# Altium PCB MCU014B_D1.PcbDoc (part 2 of 5)
Units mil, origin at the board's own origin, x right, y up, seen from the top; angles counter-clockwise.
Board outline 2300.04 x 4058 mil, 4 copper layers (TOP, GND, PWR, BOTTOM), stack 48.84 mil thick; 371 components, 238 nets, 1148 pads, 688 vias.
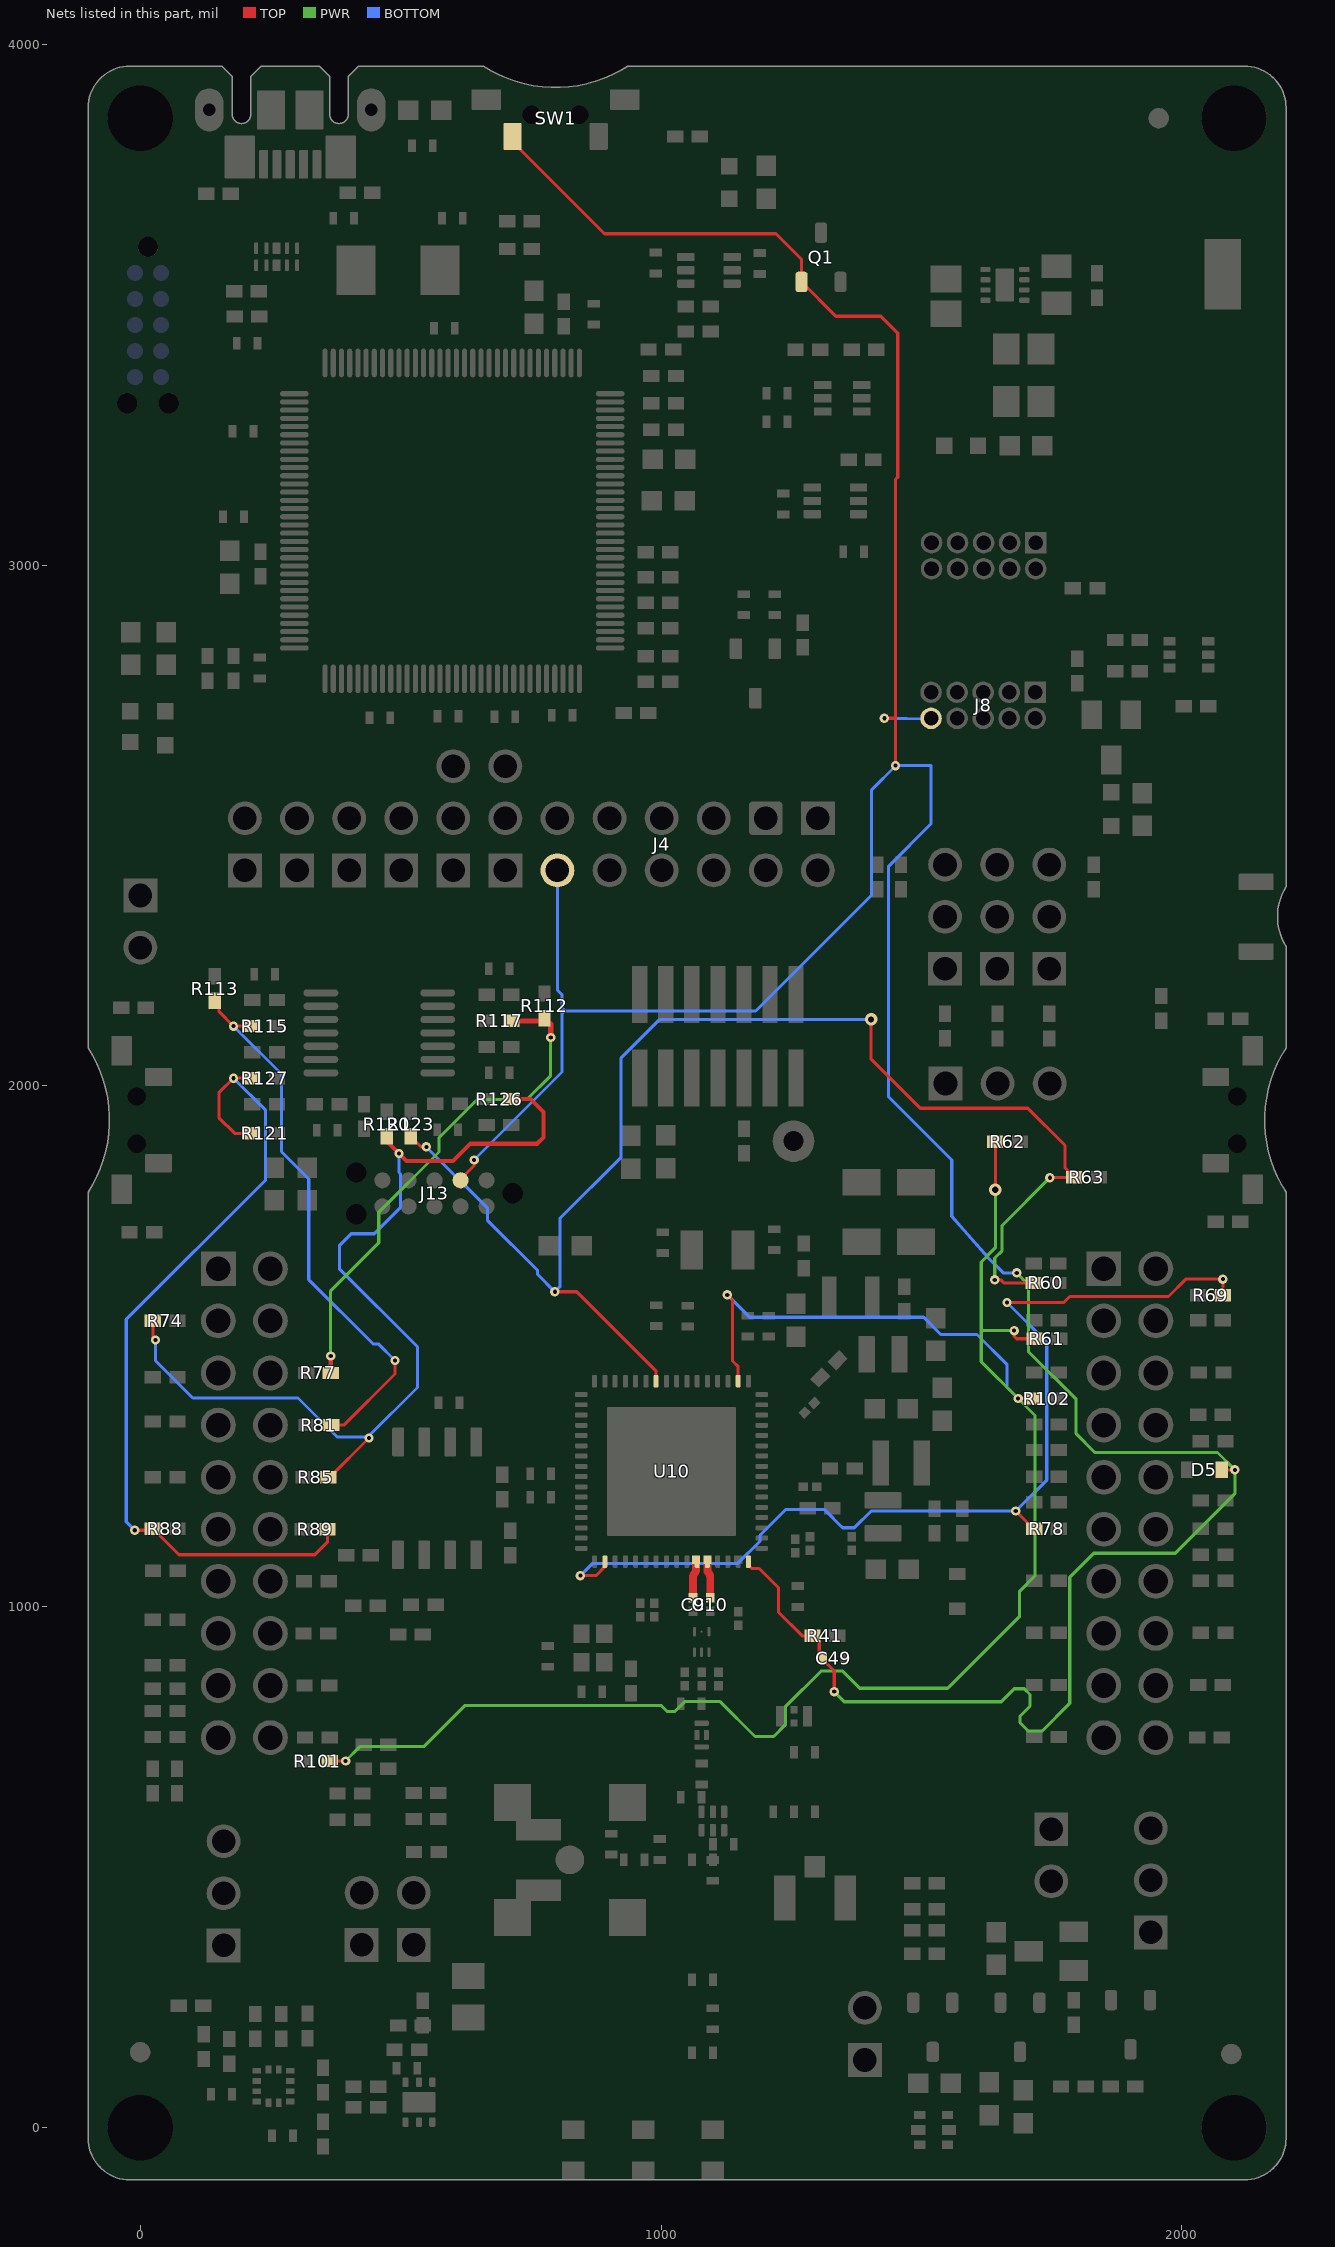
[diagram p4: the nets of this part, all layers, seen from the top]

## Footprints (in the part's own frame and the unit in brackets; to place one, negate y for a bottom-side part, rotate by r counter-clockwise, add the part's x,y. Pads: shape width x height; smd on the part's side, far side on the other; paste and mask are expansions set on the pad) (continued)
PDT0128A [mm] "Thin QFP, 128-Leads, Body 14x14mm, Pitch 0.4mm"
  oval 1.4x0.25 smd: 1(-7.7,6.2) 2(-7.7,5.8) 3(-7.7,5.4) 4(-7.7,5) 5(-7.7,4.6) 6(-7.7,4.2) 7(-7.7,3.8) 8(-7.7,3.4) 9(-7.7,3) 10(-7.7,2.6) 11(-7.7,2.2) 12(-7.7,1.8) 13(-7.7,1.4) 14(-7.7,1) 15(-7.7,0.6) 16(-7.7,0.2) 17(-7.7,-0.2) 18(-7.7,-0.6) 19(-7.7,-1) 20(-7.7,-1.4) 21(-7.7,-1.8) 22(-7.7,-2.2) 23(-7.7,-2.6) 24(-7.7,-3) 25(-7.7,-3.4) 26(-7.7,-3.8) 27(-7.7,-4.2) 28(-7.7,-4.6) 29(-7.7,-5) 30(-7.7,-5.4) 31(-7.7,-5.8) 32(-7.7,-6.2) 65(7.7,-6.2) 66(7.7,-5.8) 67(7.7,-5.4) 68(7.7,-5) 69(7.7,-4.6) 70(7.7,-4.2) 71(7.7,-3.8) 72(7.7,-3.4) 73(7.7,-3) 74(7.7,-2.6) 75(7.7,-2.2) 76(7.7,-1.8) 77(7.7,-1.4) 78(7.7,-1) 79(7.7,-0.6) 80(7.7,-0.2) 81(7.7,0.2) 82(7.7,0.6) 83(7.7,1) 84(7.7,1.4) 85(7.7,1.8) 86(7.7,2.2) 87(7.7,2.6) 88(7.7,3) 89(7.7,3.4) 90(7.7,3.8) 91(7.7,4.2) 92(7.7,4.6) 93(7.7,5) 94(7.7,5.4) 95(7.7,5.8) 96(7.7,6.2)
  oval 0.25x1.4 smd: 33(-6.2,-7.7) 34(-5.8,-7.7) 35(-5.4,-7.7) 36(-5,-7.7) 37(-4.6,-7.7) 38(-4.2,-7.7) 39(-3.8,-7.7) 40(-3.4,-7.7) 41(-3,-7.7) 42(-2.6,-7.7) 43(-2.2,-7.7) 44(-1.8,-7.7) 45(-1.4,-7.7) 46(-1,-7.7) 47(-0.6,-7.7) 48(-0.2,-7.7) 49(0.2,-7.7) 50(0.6,-7.7) 51(1,-7.7) 52(1.4,-7.7) 53(1.8,-7.7) 54(2.2,-7.7) 55(2.6,-7.7) 56(3,-7.7) 57(3.4,-7.7) 58(3.8,-7.7) 59(4.2,-7.7) 60(4.6,-7.7) 61(5,-7.7) 62(5.4,-7.7) 63(5.8,-7.7) 64(6.2,-7.7) 97(6.2,7.7) 98(5.8,7.7) 99(5.4,7.7) 100(5,7.7) 101(4.6,7.7) 102(4.2,7.7) 103(3.8,7.7) 104(3.4,7.7) 105(3,7.7) 106(2.6,7.7) 107(2.2,7.7) 108(1.8,7.7) 109(1.4,7.7) 110(1,7.7) 111(0.6,7.7) 112(0.2,7.7) 113(-0.2,7.7) 114(-0.6,7.7) 115(-1,7.7) 116(-1.4,7.7) 117(-1.8,7.7) 118(-2.2,7.7) 119(-2.6,7.7) 120(-3,7.7) 121(-3.4,7.7) 122(-3.8,7.7) 123(-4.2,7.7) 124(-4.6,7.7) 125(-5,7.7) 126(-5.4,7.7) 127(-5.8,7.7) 128(-6.2,7.7)
  silkscreen extent -7.7,-6.3 6.3,6.99, body extent -8,-8 8,8, height 1.07
PW0014A_N [mm] "TSOP, 14-Leads, Body 5x4.4mm, Pitch 0.65mm, IPC Medium Density"
  oval 1.7x0.35 smd: 1(-2.85,1.95) 2(-2.85,1.3) 3(-2.85,0.65) 4(-2.85,0) 5(-2.85,-0.65) 6(-2.85,-1.3) 7(-2.85,-1.95) 8(2.85,-1.95) 9(2.85,-1.3) 10(2.85,-0.65) 11(2.85,0) 12(2.85,0.65) 13(2.85,1.3) 14(2.85,1.95)
  silkscreen extent -1.85,-2.55 1.85,2.55, body extent -3.21,-2.5 3.21,2.5, height 1
RGK0064B [mm] "VQFN-64"
  rrect42% 0.6x0.24 smd: 1(-4.4,3.75) 2(-4.4,3.25) 3(-4.4,2.75) 4(-4.4,2.25) 5(-4.4,1.75) 6(-4.4,1.25) 7(-4.4,0.75) 8(-4.4,0.25) 9(-4.4,-0.25) 10(-4.4,-0.75) 11(-4.4,-1.25) 12(-4.4,-1.75) 13(-4.4,-2.25) 14(-4.4,-2.75) 15(-4.4,-3.25) 16(-4.4,-3.75) 33(4.4,-3.75) 34(4.4,-3.25) 35(4.4,-2.75) 36(4.4,-2.25) 37(4.4,-1.75) 38(4.4,-1.25) 39(4.4,-0.75) 40(4.4,-0.25) 41(4.4,0.25) 42(4.4,0.75) 43(4.4,1.25) 44(4.4,1.75) 45(4.4,2.25) 46(4.4,2.75) 47(4.4,3.25) 48(4.4,3.75)
  rrect42% 0.24x0.6 smd: 17(-3.75,-4.4) 18(-3.25,-4.4) 19(-2.75,-4.4) 20(-2.25,-4.4) 21(-1.75,-4.4) 22(-1.25,-4.4) 23(-0.75,-4.4) 24(-0.25,-4.4) 25(0.25,-4.4) 26(0.75,-4.4) 27(1.25,-4.4) 28(1.75,-4.4) 29(2.25,-4.4) 30(2.75,-4.4) 31(3.25,-4.4) 32(3.75,-4.4) 49(3.75,4.4) 50(3.25,4.4) 51(2.75,4.4) 52(2.25,4.4) 53(1.75,4.4) 54(1.25,4.4) 55(0.75,4.4) 56(0.25,4.4) 57(-0.25,4.4) 58(-0.75,4.4) 59(-1.25,4.4) 60(-1.75,4.4) 61(-2.25,4.4) 62(-2.75,4.4) 63(-3.25,4.4) 64(-3.75,4.4)
  rrect10% 1x1 on Top Paste: 65(-2.4,-2.4) 65(-2.4,-1.2) 65(-2.4,0) 65(-2.4,1.2) 65(-2.4,2.4) 65(-1.2,-2.4) 65(-1.2,-1.2) 65(-1.2,0) 65(-1.2,1.2) 65(-1.2,2.4) 65(0,-2.4) 65(0,-1.2) 65(0,0) 65(0,1.2) 65(0,2.4) 65(1.2,-2.4) 65(1.2,-1.2) 65(1.2,0) 65(1.2,1.2) 65(1.2,2.4) 65(2.4,-2.4) 65(2.4,-1.2) 65(2.4,0) 65(2.4,1.2) 65(2.4,2.4)
  rrect2% 6.3x6.3 smd paste-4: 65(0,0)
  silkscreen extent -4.7,-4.7 4.7,4.7, body extent -4.5,-4.5 4.5,4.5, height 1
Richwave_RTC6608OSP [mm] "SMD, 6-Leads, Body 1x1mm"
  rrect67% 0.45x0.15 smd: 1(-0.5,0.35) 3(-0.5,-0.35) 4(0.5,-0.35) 5(0.5,0) 6(0.5,0.35)
  rrect100% 0.1x0.1 smd: 2(-0.5,0)
  TOP region: -0.725,-0.076 -0.725,-0.076 -0.726,-0.076 -0.726,-0.075 -0.726,-0.075 -0.726,-0.075 -0.726,0.075 -0.726,0.075 -0.726,0.076 -0.725,0.076 -0.725,0.076 -0.725,0.076 -0.275,0.076 -0.101,0.225 -0.101,0.5 -0.101,0.5 -0.101,0.501 -0.1,0.501 -0.1,0.501 -0.1,0.501 0.1,0.501 0.1,0.501 0.101,0.501 0.101,0.5 0.101,0.5 0.101,0.5 0.101,0.226 0.15,0.226 0.15,0.226 0.151,0.226 0.151,0.225 0.151,0.225 0.151,0.225 0.151,-0.225 0.151,-0.225 0.151,-0.226 0.15,-0.226 0.15,-0.226 0.15,-0.226 0.101,-0.226 0.101,-0.5 0.101,-0.5 0.101,-0.501 0.1,-0.501 0.1,-0.501 0.1,-0.501 -0.1,-0.501 -0.1,-0.501 -0.101,-0.501 -0.101,-0.5 -0.101,-0.5 -0.101,-0.5 -0.101,-0.225 -0.275,-0.076
  silkscreen extent -1.05,0.45 -0.95,0.55, body extent -0.55,-0.55 0.55,0.55, height 0.41
Samtec_FTSH-105-01-x-D-K [mm] "Header, 1.27 mm, 5x2, TH"
  rect 1.05x1.05 hole 0.71: 1(-0.635,2.54)
  round 1.05 hole 0.71: 2(0.635,2.54) 3(-0.635,1.27) 4(0.635,1.27) 5(-0.635,0) 6(0.635,0) 7(-0.635,-1.27) 8(0.635,-1.27) 9(-0.635,-2.54) 10(0.635,-2.54)
  silkscreen extent -2.54,-3.17 2.54,3.2, body extent -2.54,-3.17 2.54,3.1, height 5.73
Samtec_FTSH-107-01-x-DV [mm] "Header, 1.27mm, 7x2, SMT"
  rect 2.79x0.74 smd: 1(-2.035,3.81) 2(2.035,3.81) 3(-2.035,2.54) 4(2.035,2.54) 5(-2.035,1.27) 6(2.035,1.27) 7(-2.035,0) 8(2.035,0) 9(-2.035,-1.27) 10(2.035,-1.27) 11(-2.035,-2.54) 12(2.035,-2.54) 13(-2.035,-3.81) 14(2.035,-3.81)
  silkscreen extent -2.32,4.68 -2.08,4.93, body extent -2.94,-4.48 2.9,4.41, height 5.97
SML-31_Red [mm] "Rohm"
  rect 0.8x0.8 smd: 1(-0.825,0) 2(0.825,0)
  silkscreen extent -1.93,-0.76 1.1,0.76, body extent -0.85,-0.45 0.85,0.45, height 0.91
SOD-523F [mm] "COMCHIP"
  rect 0.6x0.8 smd paste-0.05: 1(-0.85,0) 2(0.85,0)
  body extent -0.9,-0.5 0.9,0.5, height 0.85
SOP-8_150MIL [mm] "SOP, 8-Leads, Body 5.03x4mm, Pitch 1.27mm"
  rrect18% 1.4x0.57 smd: 1(-2.75,1.905) 2(-2.75,0.635) 3(-2.75,-0.635) 4(-2.75,-1.905) 5(2.75,-1.905) 6(2.75,-0.635) 7(2.75,0.635) 8(2.75,1.905)
  silkscreen extent -2,-2.5 2,2.5, body extent -2,-2.5 2,2.5, height 1.76
SOT-23 [mm] "SOT23, 3-Leads, Body 2.9x1.3mm, Pitch 0.95mm, Lead Span 2.5mm, IPC Medium Density"
  rrect50% 1x0.6 smd: 1(-1.2,0.95) 2(-1.2,-0.95) 3(1.2,0)
  silkscreen extent -1.62,-1.5 0.7,1.5, body extent -1.16,-1.45 1.21,1.45, height 1
SOT-363 [mm]
  rect 0.6x0.42 smd mask+0.051: 1(-0.95,0.65) 2(-0.95,0) 3(-0.95,-0.65) 4(0.95,-0.65) 5(0.95,0) 6(0.95,0.65)
  silkscreen extent -0.38,-1.02 0.38,1.02, body extent -1.1,-1.1 1.1,1.1, height 1.12
SSOT-3 [mm] "SuperSOT-3"
  rect 1x1.4 smd: 1(-0.95,-1.1) 2(0.95,-1.1) 3(0,1.1)
  silkscreen extent -1.53,-0.05 1.5,0.77, body extent -1.52,-0.76 1.52,0.76, height 1.12
SW_1188E [mm] "SMD, 4-Leads, Body 7.8x3.5mm"
  rrect10% 1x1.45 smd: 1(-1.1,3.375) 2(-1.1,-3.375)
  rrect11% 1.3x0.9 smd: 3(0.7,2.1) 4(0.7,-2.1)
  round 0 hole 0.9 unplated paste+0.127 mask+0.127: ""(-0.35,1.15) ""(-0.35,-1.15)
  silkscreen extent -1.97,-2.28 0.95,2.28, body extent -2.55,-3.9 1.05,3.9, height 3.5
SW_B3U-3000P [mm] "SMD, 2-Leads, Body 3x2.5mm"
  rrect12% 1.7x0.8 smd: 1(0,1.7) 2(0,-1.7)
  silkscreen extent 1.25,-1.5 1.25,1.5, body extent -1.95,-2 1.25,2, height 1.2
Tag_TC2050-NL#1 [mil] "Footprint for Tag-Connect TC2050 No-Legs cables"
  round 31 smd paste-15.75: 1(-25,100) 2(-25,50) 3(-25,0) 4(-25,-50) 5(-25,-100) 6(25,-100) 7(25,-50) 8(25,0) 9(25,50) 10(25,100)
  round 39 hole 39 unplated mask+5: MH1(0,150) MH2(-40,-150) MH3(40,-150)
  silkscreen extent -105,-200 75,200
Tag_TC2050-NL#2 [mil] "Footprint for Tag-Connect TC2050 No-Legs cables"
  round 31 smd paste-15.75: 1(-25,100) 2(-25,50) 3(-25,0) 4(-25,-50) 5(-25,-100) 6(25,-100) 7(25,-50) 8(25,0) 9(25,50) 10(25,100)
  round 31 hole 39 unplated paste+10 mask+5: MH1(0,150) MH2(-40,-150) MH3(40,-150)
  silkscreen extent -75,-200 75,200
TDK_DEA165538BT-2236B1-H [mm] "SMD, 3-Leads, Body 1.6x0.8mm"
  rrect40% 0.25x0.7 smd: 1(-0.575,0) 3(0.575,0)
  rrect41% 0.5x0.245 smd: 2(0,0.228) 2(0,-0.228)
  silkscreen extent -1,-0.65 1,0.65, body extent -0.87,-0.45 0.87,0.45, height 0.65
TDK_DEA202450BT-1294C1-H [mm] "SMD, 4-Leads, Body 2x1.25mm"
  rect 0.35x0.35 smd: 1(0,0.325) 3(0,-0.325)
  rect 0.45x1 smd: 2(0.65,0) 4(-0.65,0)
  silkscreen extent -1.17,-0.8 1.17,1, body extent -1.07,-0.67 1.07,0.67, height 0.8
TDK_DPX165950DT-8148A1 [mm] "SMD, 6-Leads, Body 1.6x0.8mm"
  rrect33% 0.6x0.3 smd mask+0: 1(-0.45,0.55) 2(-0.45,0) 3(-0.45,-0.55) 4(0.45,-0.55) 5(0.45,0) 6(0.45,0.55)
  silkscreen extent -0.4,-1 0.4,1.2, body extent -0.47,-0.88 0.48,0.87, height 0.7
TESTPOINT [mil]
  round 80 hole 37.99: 1(0,0)
Testpoint_Keystone_Miniature [mil] "Miniature SMT test point"
  rect 135x70 smd: 1(0,0)
  silkscreen extent -78,-46 78,45, body extent -52,-20 52,20, height 61
TI_Stacked_Overlay_Small [mil]
  silkscreen extent -418,-98 418,98
TI_Symbol_Overlay_Small [mil]
  silkscreen extent -90,-88 91,88
TXC_8Y [mm] "SMD, 4-Leads, Body 2x1.6mm"
  rect 0.8x0.9 smd: 1(-0.55,0.7) 2(-0.55,-0.7) 3(0.55,-0.7) 4(0.55,0.7)
  silkscreen extent -0.68,1.35 -0.42,1.6, body extent -0.85,-1.05 0.85,1.05, height 0.56
WEEE_Minimum [mil] "WEEElie bin"
  silkscreen extent -95,-172 99,104
WL-SMCW_YELLOW [mm] "WURTH"
  rect 0.8x0.8 smd: 1(-0.8,0) 2(0.8,0)
  silkscreen extent -1.9,-0.8 1.2,0.8, body extent -0.85,-0.45 0.85,0.45, height 0.8
Wurth_60900213421 [mil] "Shunt, 2.54mm, Black"
  round 1 on Mech3: 0(0,0)
  body extent -98,-48 98,48, height 236
WURTH_61300211121 [mm] "Header, 2.54mm, 2x1, TH"
  rect 1.65x1.65 hole 1.15: 1(-1.27,0)
  round 1.65 hole 1.15: 2(1.27,0)
  silkscreen extent -2.54,-1.27 2.54,1.6, body extent -2.54,-1.27 2.54,1.27, height 8.54
WURTH_61300311121 [mm] "Header, 2.54mm, 3x1, TH"
  rect 1.65x1.65 hole 1.15: 1(-2.54,0)
  round 1.65 hole 1.15: 2(0,0) 3(2.54,0)
  silkscreen extent -4.18,-1.27 3.81,1.27, body extent -3.81,-1.27 3.81,1.27, height 8.54
WURTH_61301021121 [mm] "Header, 2.54mm, 5x2, TH"
  rrect25% 1.65x1.65 hole 1.15: 1(-5.08,-1.27)
  round 1.65 hole 1.15: 2(-5.08,1.27) 3(-2.54,-1.27) 4(-2.54,1.27) 5(0,-1.27) 6(0,1.27) 7(2.54,-1.27) 8(2.54,1.27) 9(5.08,-1.27) 10(5.08,1.27)
  silkscreen extent -6.35,-2.9 6.35,2.54, body extent -6.35,-2.54 6.35,2.54, height 8.54
XTAL_ABM3 [mm] "Abracon recommended land pattern 12.28.10"
  rect 1.9x2.4 smd: 1(-2.05,0) 2(2.05,0)
  silkscreen extent -2.67,-1.78 2.67,1.78, body extent -2.6,-1.7 2.6,1.7, height 1.3
XTAL_ABS07 [mm] "ABRACON"
  rect 1.1x1.9 smd: 1(-1.25,0) 2(1.25,0)
  silkscreen extent -0.4,-1 0.4,1, body extent -1.65,-0.8 1.65,0.8, height 0.9

## Part data
C1: "CAP, CERM, 10 pF, 50 V, +/- 5%, C0G/NP0, 0402", Alternate Manufacturer=----, Alternate PartNumber=GRM1555C1H100JA01D, Cap_Case=0402, Manufacturer=MuRata, Supplier Part Number 1=81-GRM1555C1H100JA1D, TempCo=C0G/NP0, Tolerance_%=5%, Value1=Unknown, Value2=50V, ValueDisplayed=10pF, AEC Category=Q200, AEC Qualified=?, Cap_F=10pF, ComponentLink1Description="Datasheet link", ComponentLink1URL=http://search.murata.co.jp/Ceramy/PnsearchViewAction.do?HnOFG=ON&HnNFG=ON&SEL_CNT=50&sLang=en&sKey=GRM1555C1H100JA01D&x=9&y=9&search=startwith, CompType=Capacitor, LatestRevisionDate=2017-03-09, MountType=SMT, PackageReference=0402, PartNumber=GRM1555C1H100JA01D, Polarized=N, Published=2008-06-19, Publisher="Texas Instruments", RoHS=Y, SizeArea_mm2=0.5, SizeAreaWB_mm2=3, SizeX_mm=1, SizeY_mm=0.5, SizeZ_mm=0.6, Supplier 1=Mouser, TaMax_C=125°C, TaMin_C=-55°C, Technology=Ceramic, U/M=EA, VDC_V=50V
C2: library part CMP-0085845-1, "CAP, CERM, 8.2 pF, 50 V,+/- 3%, C0G/NP0, 0402", Alternate Manufacturer=MuRata, Alternate PartNumber=GRM1555C1H8R2CA01D, Cap_Case=0402, Manufacturer=Walsin, TempCo=C0G/NP0, Tolerance_%=3%, Value2=50V, ValueDisplayed=8.2pF, AEC Category=Q200, AEC Grade=N/A, AEC Qualified=N, Cap_F=8.2pF, ComponentLink1Description="Datasheet link", ComponentLink1URL=http://www.passivecomponent.com/indexsea/0402N8R2C500CT-IN.pdf, CompType=Capacitor, MountType=SMT, PackageReference=0402, PartNumber=0402N8R2C500CT, Polarized=N, RoHS=Y, SizeArea_mm2=0.5, SizeAreaWB_mm2=3, SizeX_mm=1, SizeY_mm=0.5, SizeZ_mm=0.6, TaMax_C=125°C, TaMin_C=-55°C, Technology=Ceramic, U/M=EA, VDC_V=50V
C3 C4 C5: library part CMP-0080073-1, "CAP, CERM, 0.5 pF, 50 V,+/- 20%, C0G/NP0, 0402", Cap_Case=0402, Manufacturer=MuRata, Supplier Part Number 1=490-8105-1-ND, TempCo=C0G/NP0, Tolerance_%=20%, Value2=50V, ValueDisplayed=0.5pF, AEC Category=Q200, AEC Grade=N/A, AEC Qualified=N, Cap_F=0.5pF, ComponentLink1Description="Datasheet link", ComponentLink1URL=https://search.murata.co.jp/Ceramy/image/img/A01X/G101/ENG/GJM1555C1HR50BB01-01.pdf, CompType=Capacitor, Green_EU RoHS=Passed, Green_EU RoHS-2=Incomplete, Green_Lifecycle=Active, Green_REACh=Passed, MountType=SMT, PackageReference=0402, PartNumber=GJM1555C1HR50BB01J, Polarized=N, RoHS=Y, SizeArea_mm2=0.5, SizeAreaWB_mm2=3, SizeX_mm=1, SizeY_mm=0.5, SizeZ_mm=0.6, Supplier 1=Digi-Key, Supplier 2=Mouser, Supplier Part Number 2=81-GJM1555C1HR50BB1J, TaMax_C=125°C, TaMin_C=-55°C, Technology=Ceramic, U/M=EA, VDC_V=50V
C6: library part CMP-0080075-1, "CAP, CERM, 1.6 pF, 50 V,+/- 7%, C0G/NP0, 0201", Cap_Case=0201, Manufacturer=MuRata, Supplier Part Number 1=490-11312-1-ND, TempCo=C0G/NP0, Tolerance_%=7%, Value2=50V, ValueDisplayed=1.6pF, AEC Category=Q200, AEC Grade=N/A, AEC Qualified=N, Cap_F=1.6pF, ComponentLink1Description="Datasheet link", ComponentLink1URL=https://search.murata.co.jp/Ceramy/image/img/A01X/G101/ENG/GRM0335C1H1R6BA01-01A.pdf, CompType=Capacitor, MountType=SMT, PackageReference=0201, PartNumber=GRM0335C1H1R6BA01D, Polarized=N, RoHS=Y, SizeArea_mm2=0.18, SizeAreaWB_mm2=2.08, SizeX_mm=0.6, SizeY_mm=0.3, SizeZ_mm=0.33, Supplier 1=Digi-Key, Supplier 2=Mouser, Supplier Part Number 2=81-GRM0335C1H1R6BA1D, TaMax_C=125°C, TaMin_C=-55°C, Technology=Ceramic, U/M=EA, VDC_V=50V
C7: library part CMP-0085853-1, "CAP, CERM, 1.9 pF, 50 V,+/- 2.6%, C0G/NP0, 0402", Alternate Manufacturer=MuRata, Alternate PartNumber=GRM1555C1H1R9WA01D, Cap_Case=0402, TempCo=C0G/NP0, Tolerance_%=2.6%, Value2=50V, ValueDisplayed=1.9pF, AEC Category=Q200, AEC Grade=N/A, AEC Qualified=N, Cap_F=1.9pF, ComponentLink1Description="Datasheet link", ComponentLink1URL=https://psearch.en.murata.com/capacitor/product/GJM1555C1H1R9WB01%23.pdf, CompType=Capacitor, Manufacturer=MuRata, MountType=SMT, PackageReference=0402, PartNumber=GJM1555C1H1R9WB01D, Polarized=N, RoHS=Y, SizeArea_mm2=0.5, SizeAreaWB_mm2=3, SizeX_mm=1, SizeY_mm=0.5, SizeZ_mm=0.6, TaMax_C=125°C, TaMin_C=-55°C, Technology=Ceramic, U/M=EA, VDC_V=50V
C8: library part CMP-0085854-1, "CAP, CERM, 2.2 pF, 50 V,+/- 4.5%, C0G/NP0, 0402", Alternate Manufacturer=MuRata, Alternate PartNumber=GRM1555C1H2R2BA01D, Cap_Case=0402, TempCo=C0G/NP0, Tolerance_%=4.5%, Value2=50V, ValueDisplayed=2.2pF, AEC Category=Q200, AEC Grade=N/A, AEC Qualified=N, Cap_F=2.2pF, ComponentLink1Description="Datasheet link", ComponentLink1URL=https://psearch.en.murata.com/capacitor/product/GJM1555C1H2R2BB01%23.pdf, CompType=Capacitor, Manufacturer=MuRata, MountType=SMT, PackageReference=0402, PartNumber=GJM1555C1H2R2BB01D, Polarized=N, RoHS=Y, SizeArea_mm2=0.5, SizeAreaWB_mm2=3, SizeX_mm=1, SizeY_mm=0.5, SizeZ_mm=0.6, TaMax_C=125°C, TaMin_C=-55°C, Technology=Ceramic, U/M=EA, VDC_V=50V
C9 C10: library part CMP-0080076-1, "CAP, CERM, 4.7 pF, 50 V,+/- 3%, C0G/NP0, 0201", Cap_Case=0201, Manufacturer=MuRata, Supplier Part Number 1=490-11332-1-ND, TempCo=C0G/NP0, Tolerance_%=3%, Value2=50V, ValueDisplayed=4.7pF, AEC Category=Q200, AEC Grade=N/A, AEC Qualified=N, Cap_F=4.7pF, ComponentLink1Description="Datasheet link", ComponentLink1URL=https://search.murata.co.jp/Ceramy/image/img/A01X/G101/ENG/GRM0335C1H4R7BA01-01A.pdf, CompType=Capacitor, MountType=SMT, PackageReference=0201, PartNumber=GRM0335C1H4R7BA01D, Polarized=N, RoHS=Y, SizeArea_mm2=0.18, SizeAreaWB_mm2=2.08, SizeX_mm=0.6, SizeY_mm=0.3, SizeZ_mm=0.33, Supplier 1=Digi-Key, Supplier 2=Mouser, Supplier Part Number 2=81-GRM0335C1H4R7BA1D, TaMax_C=125°C, TaMin_C=-55°C, Technology=Ceramic, U/M=EA, VDC_V=50V
C11: "CAP, CERM, 1 pF, 50 V, +/- 10%, C0G/NP0, 0402", Alternate Manufacturer=----, Cap_Case=0402, Manufacturer=MuRata, PartNumber=GRM1555C1H1R0BA01D, Supplier Part Number 1=490-6206-1-ND, TempCo=C0G/NP0, Tolerance_%=10%, Value1=Unknown, Value2=50V, ValueDisplayed=1pF, AEC Category=Q200, AEC Qualified=?, Alternate PartNumber=----, Cap_F=1pF, ComponentLink1Description="Datasheet link", ComponentLink1URL=http://psearch.murata.com/capacitor/product/GRM1555C1H1R0BA01%23.pdf, CompType=Capacitor, LatestRevisionDate=2017-03-09, MountType=SMT, PackageReference=0402, Polarized=N, Published=2008-06-19, Publisher="Texas Instruments", RoHS=Y, SizeArea_mm2=0.5, SizeAreaWB_mm2=3, SizeX_mm=1, SizeY_mm=0.5, SizeZ_mm=0.6, Supplier 1=Digi-Key, Supplier 2=Mouser, Supplier Part Number 2=81-GRM1555C1H1R0BA1D, TaMax_C=125°C, TaMin_C=-55°C, Technology=Ceramic, U/M=EA, VDC_V=50V
C14 C15: library part CMP-0085847-1, "CAP, CERM, 100 pF, 25 V,+/- 5%, C0G/NP0, 0201", Alternate PartNumber=C0603C0G1E101J030BA, Cap_Case=0201, Manufacturer=Yageo, TempCo=C0G/NP0, Tolerance_%=5%, Value2=25V, ValueDisplayed=100pF, AEC Category=Q200, AEC Grade=N/A, AEC Qualified=N, Cap_F=100pF, ComponentLink1Description="Datasheet link", ComponentLink1URL=http://www.yageo.com/documents/recent/UPY-GP_NP0_16V-to-50V_16.pdf, CompType=Capacitor, MountType=SMT, PackageReference=0201, PartNumber=CC0201JRNPO8BN101, Polarized=N, RoHS=Y, SizeArea_mm2=0.18, SizeAreaWB_mm2=2.08, SizeX_mm=0.6, SizeY_mm=0.3, SizeZ_mm=0.26, TaMax_C=125°C, TaMin_C=-55°C, Technology=Ceramic, U/M=EA, VDC_V=25V
C17 C18 C19 C26 C28 C40 C41 C47 C48 C50 C52 C60 C61 C63 C75 C76 C77: library part CMP-0085850-1, "CAP, CERM, 0.1 µF, 16 V,+/- 10%, X7R, 0402", Alternate PartNumber=C1005X5R1A104K050BA, Cap_Case=0402, Manufacturer=Walsin, TempCo=X7R, Tolerance_%=10%, Value2=16V, ValueDisplayed=0.1µF, AEC Category=Q200, AEC Grade=N/A, AEC Qualified=N, Cap_F=100nF, ComponentLink1Description="Datasheet link", ComponentLink1URL=http://www.samsungsem.com/kr/support/product-search/mlcc/__icsFiles/afieldfile/2018/07/18/CL05B104KO5NNNC.pdf, CompType=Capacitor, MountType=SMT, PackageReference=0402, PartNumber=CL05B104KO5NNNC, Polarized=N, RoHS=Y, SizeArea_mm2=0.5, SizeAreaWB_mm2=3, SizeX_mm=1, SizeY_mm=0.5, SizeZ_mm=0.6, TaMax_C=125°C, TaMin_C=-55°C, Technology=Ceramic, U/M=EA, VDC_V=16V
C20 C22 C24 C29 C30 C31 C35 C71 C72 C73 C74: library part CMP-0085842-1, "CAP, CERM, 0.01 µF, 50 V,+/- 10%, X7R, 0402", Alternate PartNumber=C1005X7R1C103K050BA, Cap_Case=0402, Manufacturer=Walsin, TempCo=X7R, Tolerance_%=10%, Value2=50V, ValueDisplayed=0.01µF, AEC Category=Q200, AEC Grade=N/A, AEC Qualified=N, Cap_F=10nF, ComponentLink1Description="Datasheet link", ComponentLink1URL=http://www.passivecomponent.com/indexsea/0402B103K500CT-IN.pdf, CompType=Capacitor, MountType=SMT, PackageReference=0402, PartNumber=0402B103K500CT, Polarized=N, RoHS=Y, SizeArea_mm2=0.5, SizeAreaWB_mm2=3, SizeX_mm=1, SizeY_mm=0.5, SizeZ_mm=0.6, TaMax_C=125°C, TaMin_C=-55°C, Technology=Ceramic, U/M=EA, VDC_V=50V
C21 C23: library part CMP-0085851-1, "CAP, CERM, 22 pF, 50 V,+/- 5%, C0G/NP0, 0402", Alternate PartNumber=GRM1555C1H220FA01D, Cap_Case=0402, Manufacturer=Walsin, TempCo=C0G/NP0, Tolerance_%=5%, Value2=50V, ValueDisplayed=22pF, AEC Category=Q200, AEC Grade=N/A, AEC Qualified=N, Cap_F=22pF, ComponentLink1Description="Datasheet link", ComponentLink1URL=http://www.samsungsem.com/kr/support/product-search/mlcc/__icsFiles/afieldfile/2018/07/17/CL05C220JB5NNNC.pdf, CompType=Capacitor, MountType=SMT, PackageReference=0402, PartNumber=CL05C220JB5NNNC, Polarized=N, RoHS=Y, SizeArea_mm2=0.5, SizeAreaWB_mm2=3, SizeX_mm=1, SizeY_mm=0.5, SizeZ_mm=0.6, TaMax_C=125°C, TaMin_C=-55°C, Technology=Ceramic, U/M=EA, VDC_V=50V
C25 C27 C34 C36 C39: library part CMP-0085848-1, "CAP, CERM, 1 µF, 25 V,+/- 10%, X5R, 0402", Alternate PartNumber=C1005X5R1E105K050BC, Cap_Case=0402, Manufacturer="Samsung Electro-Mechanics", TempCo=X5R, Tolerance_%=10%, Value2=25V, ValueDisplayed=1µF, AEC Category=Q200, AEC Grade=N/A, AEC Qualified=N, Cap_F=1µF, ComponentLink1Description="Datasheet link", ComponentLink1URL=http://www.samsungsem.com/kr/support/product-search/mlcc/__icsFiles/afieldfile/2018/06/19/CL05A105KA5NQNC.pdf, CompType=Capacitor, MountType=SMT, PackageReference=0402, PartNumber=CL05A105KA5NQNC, Polarized=N, RoHS=Y, SizeArea_mm2=0.5, SizeAreaWB_mm2=3, SizeX_mm=1, SizeY_mm=0.5, SizeZ_mm=0.6, TaMax_C=85°C, TaMin_C=-55°C, Technology=Ceramic, U/M=EA, VDC_V=25V
C32 C33 C38: "CAP, CERM, 0.1 uF, 25 V, +/- 10%, X5R, 0603", Alternate Manufacturer=Walsin, Alternate PartNumber=0603B104K250CT, Cap_Case=0603, Manufacturer=AVX, PartNumber=06033D104KAT2A, Supplier Part Number 1=478-1244-1-ND, TempCo=X5R, Tolerance_%=10%, Value1="0.048 ohm", Value2=25V, ValueDisplayed=0.1uF, AEC Category=Q200, AEC Grade=N/A, AEC Qualified=N, Cap_F=100nF, ComponentLink1Description="Datasheet link", ComponentLink1URL=http://datasheets.avx.com/cx5r.pdf, CompType=Capacitor, ESR_ohm=0.048, IRMS_A=5.3dA, LatestRevisionDate=2017-03-09, MountType=SMT, PackageReference=0603, Polarized=N, Published=2008-06-19, Publisher="Texas Instruments", RoHS=Y, SizeArea_mm2=1.28, SizeAreaWB_mm2=4.68, SizeX_mm=1.6, SizeY_mm=0.8, SizeZ_mm=1, Supplier 1=Digi-Key, Supplier 2=Mouser, Supplier Part Number 2=581-06033D104K, TaMax_C=85°C, TaMin_C=-55°C, Technology=Ceramic, U/M=EA, VDC_V=25V
C37: "CAP, CERM, 2.2 uF, 16 V, +/- 10%, X5R, 0402", Alternate Manufacturer=SAMSUNG, Alternate PartNumber=CL05A225KA5NUNC, Cap_Case=0402, Manufacturer=TDK, PartNumber=C1005X5R1C225K050BC, Supplier Part Number 1=445-9085-1-ND, TempCo=X5R, Tolerance_%=10%, Value1=Unknown, Value2=16V, ValueDisplayed=2.2uF, AEC Category=Q200, AEC Qualified=?, Cap_F=2.2µF, ComponentLink1Description="Datasheet link", ComponentLink1URL=http://www.tdk.com/pdf/TDKMLCCCapRange.pdf, CompType=Capacitor, LatestRevisionDate=2017-03-09, MountType=SMT, PackageReference=0402, Polarized=N, Published=2008-06-19, Publisher="Texas Instruments", RoHS=Y, SizeArea_mm2=0.5, SizeAreaWB_mm2=3, SizeX_mm=1, SizeY_mm=0.5, SizeZ_mm=0.6, Supplier 1=Digi-Key, TaMax_C=85°C, TaMin_C=-55°C, Technology=Ceramic, U/M=EA, VDC_V=16V
C42 C43 C45: "CAP, CERM, 4.7 uF, 6.3 V,+/- 20%, X6S, 0402", Alternate Manufacturer=SAMSUNG, Alternate PartNumber=CL05A475MQ5NRNC, Cap_Case=0402, Manufacturer="Taiyo Yuden", PartNumber=JMK105BC6475MV-F, Supplier Part Number 1=48Y4404, TempCo=X6S, Tolerance_%=20%, Value1=Unknown, Value2=6.3V, ValueDisplayed=4.7uF, AEC Category=Q200, AEC Grade=N/A, AEC Qualified=N, Cap_F=4.7µF, ComponentLink1Description="Datasheet link", ComponentLink1URL=http://ds.yuden.co.jp/TYCOMPAS/ut/detail.do?productNo=JMK105BC6475MV-F&dataUnit=M, CompType=Capacitor, LatestRevisionDate=2017-06-05, MountType=SMT, PackageReference=0402, Polarized=N, Published=2008-06-19, Publisher="Texas Instruments", RoHS=Y, SizeArea_mm2=0.5, SizeAreaWB_mm2=3, SizeX_mm=1, SizeY_mm=0.5, SizeZ_mm=0.6, Supplier 1=Newark, Supplier 2=Mouser, Supplier Part Number 2=963-JMK105BC6475MV-F, TaMax_C=105°C, TaMin_C=-55°C, Technology=Ceramic, U/M=EA, VDC_V=6.3V
C44 C55 C68: library part CMP-0085407-1, "CAP, CERM, 0.6pF, 25 V,+/- 16%, C0G/NP0, 0201", Cap_Case=0201, Manufacturer=MuRata, TempCo=C0G/NP0, Tolerance_%=16%, Value2=25V, ValueDisplayed=0.6pF, AEC Category=Q200, AEC Grade=N/A, AEC Qualified=N, Cap_F=0.6pF, ComponentLink1Description="Datasheet link", ComponentLink1URL=https://psearch.en.murata.com/capacitor/product/GJM0335C1ER60BB01%23.html, CompType=Capacitor, MountType=SMT, PackageReference=0201, PartNumber=GJM0335C1ER60BB01D, Polarized=N, RoHS=Y, SizeArea_mm2=0.18, SizeAreaWB_mm2=2.08, SizeX_mm=0.6, SizeY_mm=0.3, SizeZ_mm=0.33, TaMax_C=125°C, TaMin_C=-55°C, Technology=Ceramic, U/M=EA, VDC_V=25V
C46: library part CMP-0085408-1, "CAP, CERM, 0.5 pF, 25 V,+/- 20%, C0G/NP0, 0201", Cap_Case=0201, Manufacturer=MuRata, TempCo=C0G/NP0, Tolerance_%=20%, Value2=25V, ValueDisplayed=0.5pF, AEC Category=Q200, AEC Grade=N/A, AEC Qualified=N, Cap_F=0.5pF, ComponentLink1Description="Datasheet link", ComponentLink1URL=https://psearch.en.murata.com/capacitor/product/GJM0335C1ER50BB01%23.html, CompType=Capacitor, MountType=SMT, PackageReference=0201, PartNumber=GJM0335C1ER50BB01D, Polarized=N, RoHS=Y, SizeArea_mm2=0.18, SizeAreaWB_mm2=2.08, SizeX_mm=0.6, SizeY_mm=0.3, SizeZ_mm=0.33, TaMax_C=125°C, TaMin_C=-55°C, Technology=Ceramic, U/M=EA, VDC_V=25V
C49: library part CMP-0085842-1, "CAP, CERM, 0.01 µF, 50 V,+/- 10%, X7R, 0402", Alternate PartNumber=GRM155R71E103KA01D, Cap_Case=0402, Manufacturer=Walsin, TempCo=X7R, Tolerance_%=10%, Value2=50V, ValueDisplayed=0.01µF, AEC Category=Q200, AEC Grade=N/A, AEC Qualified=N, Cap_F=10nF, ComponentLink1Description="Datasheet link", ComponentLink1URL=http://www.passivecomponent.com/indexsea/0402B103K500CT-IN.pdf, CompType=Capacitor, MountType=SMT, PackageReference=0402, PartNumber=0402B103K500CT, Polarized=N, RoHS=Y, SizeArea_mm2=0.5, SizeAreaWB_mm2=3, SizeX_mm=1, SizeY_mm=0.5, SizeZ_mm=0.6, TaMax_C=125°C, TaMin_C=-55°C, Technology=Ceramic, U/M=EA, VDC_V=50V
C51 C59 C62: "CAP, CERM, 10 uF, 10 V,+/- 20%, X6S, 0603", Alternate Manufacturer=SAMSUNG, Alternate PartNumber=CL10A106MP8NNNC, Cap_Case=0603, Manufacturer="Taiyo Yuden", PartNumber=LMK107BC6106MA-T, Supplier Part Number 1=95Y1652, TempCo=X6S, Tolerance_%=20%, Value1=Unknown, Value2=10V, ValueDisplayed=10uF, AEC Category=Q200, AEC Grade=N/A, AEC Qualified=N, Cap_F=10µF, ComponentLink1Description="Datasheet link", ComponentLink1URL=http://ds.yuden.co.jp/TYCOMPAS/ut/detail.do?productNo=LMK107BC6106MA-T&dataUnit=M, CompType=Capacitor, LatestRevisionDate=2017-06-05, MountType=SMT, PackageReference=0603, Polarized=N, Published=2008-06-19, Publisher="Texas Instruments", RoHS=Y, SizeArea_mm2=1.28, SizeAreaWB_mm2=4.68, SizeX_mm=1.6, SizeY_mm=0.8, SizeZ_mm=1, Supplier 1=Newark, Supplier 2=Mouser, Supplier Part Number 2=963-LMK107BC6106MA-T, TaMax_C=105°C, TaMin_C=-55°C, Technology=Ceramic, U/M=EA, VDC_V=10V
C53: library part CMP-0085602-1, "CAP, CERM, 0.2pF, 25 V,+/- 50%, C0G/NP0, 0201", Cap_Case=0201, Manufacturer=MuRata, TempCo=C0G/NP0, Tolerance_%=50%, Value2=25V, ValueDisplayed=0.2pF, AEC Category=Q200, AEC Grade=N/A, AEC Qualified=N, Cap_F=0.2pF, ComponentLink1Description="Datasheet link", ComponentLink1URL=https://psearch.en.murata.com/capacitor/product/GJM0335C1ER20BB01%23.html, CompType=Capacitor, MountType=SMT, PackageReference=0201, PartNumber=GJM0335C1ER20BB01D, Polarized=N, RoHS=Y, SizeArea_mm2=0.18, SizeAreaWB_mm2=2.08, SizeX_mm=0.6, SizeY_mm=0.3, SizeZ_mm=0.33, TaMax_C=125°C, TaMin_C=-55°C, Technology=Ceramic, U/M=EA, VDC_V=25V
C54: library part CMP-0009655-3, "CAP, CERM, 0.1 uF, 10 V, +/- 10%, X5R, 0201", Cap_Case=0201, Manufacturer="Samsung Electro-Mechanics", TempCo=X5R, Tolerance_%=10%, Value1=Unknown, Value2=10V, ValueDisplayed=0.1uF, AEC Category=Q200, AEC Qualified=?, Cap_F=100nF, ComponentLink1Description="Datasheet link", ComponentLink1URL=http://www.samsungsem.com/servlet/FileDownload?type=spec&file=CL03A104KP3NNNC.pdf, CompType=Capacitor, LatestRevisionDate=2017-03-09, MountType=SMT, PackageReference=0201, PartNumber=CL03A104KP3NNNC, Polarized=N, Published=2008-06-19, Publisher="Texas Instruments", RoHS=Y, SizeArea_mm2=0.18, SizeAreaWB_mm2=2.08, SizeX_mm=0.6, SizeY_mm=0.3, SizeZ_mm=0.26, TaMax_C=85°C, TaMin_C=-55°C, Technology=Ceramic, U/M=EA, VDC_V=10V
C56 C57: "CAP, CERM, 22 uF, 4 V,+/- 20%, X6S, 0603", Alternate Manufacturer=SAMSUNG, Alternate PartNumber=CL10A226MQ8NRNC, Cap_Case=0603, Manufacturer=MuRata, PartNumber=GRM188C80G226ME15J, Supplier Part Number 1=81-GRM188C80G226ME5J, TempCo=X6S, Tolerance_%=20%, Value1=Unknown, Value2=4V, ValueDisplayed=22uF, AEC Category=Q200, AEC Grade=N/A, AEC Qualified=N, Cap_F=22µF, ComponentLink1Description="Datasheet link", ComponentLink1URL=http://search.murata.co.jp/Ceramy/image/img/A01X/G101/ENG/GRM188C80G226ME15-01.pdf, CompType=Capacitor, LatestRevisionDate=2017-06-05, MountType=SMT, PackageReference=0603, Polarized=N, Published=2008-06-19, Publisher="Texas Instruments", RoHS=Y, SizeArea_mm2=1.28, SizeAreaWB_mm2=4.68, SizeX_mm=1.6, SizeY_mm=0.8, SizeZ_mm=1, Supplier 1=Mouser, TaMax_C=105°C, TaMin_C=-55°C, Technology=Ceramic, U/M=EA, VDC_V=4V
C58: library part CMP-0085849-1, "CAP, CERM, 1 µF, 10 V,+/- 20%, X5R, 0402", Alternate PartNumber=GRM155C81A105KA12D, Cap_Case=0402, Manufacturer=Walsin, TempCo=X5R, Tolerance_%=20%, Value2=10V, ValueDisplayed=1µF, AEC Category=Q200, AEC Grade=N/A, AEC Qualified=N, Cap_F=1µF, ComponentLink1Description="Datasheet link", ComponentLink1URL=http://www.samsungsem.com/kr/support/product-search/mlcc/__icsFiles/afieldfile/2018/06/19/CL05A105MP5NNNC.pdf, CompType=Capacitor, MountType=SMT, PackageReference=0402, PartNumber=CL05A105MP5NNNC, Polarized=N, RoHS=Y, SizeArea_mm2=0.5, SizeAreaWB_mm2=3, SizeX_mm=1, SizeY_mm=0.5, SizeZ_mm=0.6, TaMax_C=85°C, TaMin_C=-55°C, Technology=Ceramic, U/M=EA, VDC_V=10V
C64: "CAP, CERM, 0.1 uF, 10 V, +/- 10%, X5R, 0201", Cap_Case=0201, Manufacturer="Samsung Electro-Mechanics", PartNumber=CL03A104KP3NNNC, TempCo=X5R, Tolerance_%=10%, Value1=Unknown, Value2=10V, ValueDisplayed=0.1uF, AEC Category=Q200, AEC Qualified=?, Cap_F=100nF, ComponentLink1Description="Datasheet link", ComponentLink1URL=http://www.samsungsem.com/servlet/FileDownload?type=spec&file=CL03A104KP3NNNC.pdf, CompType=Capacitor, LatestRevisionDate=2017-03-09, MountType=SMT, PackageReference=0201, Polarized=N, Published=2008-06-19, Publisher="Texas Instruments", RoHS=Y, SizeArea_mm2=0.18, SizeAreaWB_mm2=2.08, SizeX_mm=0.6, SizeY_mm=0.3, SizeZ_mm=0.26, TaMax_C=85°C, TaMin_C=-55°C, Technology=Ceramic, U/M=EA, VDC_V=10V
C65 C66: library part CMP-0085843-1, "CAP, CERM, 10 pF, 50 V,+/- 5%, C0G/NP0, 0402", Alternate PartNumber=GRM1555C1H100JA01D, Cap_Case=0402, Manufacturer=Walsin, TempCo=C0G/NP0, Tolerance_%=5%, Value2=50V, ValueDisplayed=10pF, AEC Category=Q200, AEC Grade=N/A, AEC Qualified=N, Cap_F=10pF, ComponentLink1Description="Datasheet link", ComponentLink1URL=http://www.passivecomponent.com/indexsea/0402N100J500CT-IN.pdf, CompType=Capacitor, MountType=SMT, PackageReference=0402, PartNumber=0402N100J500CT, Polarized=N, RoHS=Y, SizeArea_mm2=0.5, SizeAreaWB_mm2=3, SizeX_mm=1, SizeY_mm=0.5, SizeZ_mm=0.6, TaMax_C=125°C, TaMin_C=-55°C, Technology=Ceramic, U/M=EA, VDC_V=50V
C67 C69: library part CMP-0085844-1, "CAP, CERM, 6.2 pF, 50 V,+/- 4%, C0G/NP0, 0402", Alternate PartNumber=GRM1555C1H6R2CA01D, Cap_Case=0402, Manufacturer=Walsin, TempCo=C0G/NP0, Tolerance_%=4%, Value2=50V, ValueDisplayed=6.2pF, AEC Category=Q200, AEC Grade=N/A, AEC Qualified=N, Cap_F=6.2pF, ComponentLink1Description="Datasheet link", ComponentLink1URL=http://www.passivecomponent.com/indexsea/0402N6R2C500CT-IN.pdf, CompType=Capacitor, MountType=SMT, PackageReference=0402, PartNumber=0402N6R2C500CT, Polarized=N, RoHS=Y, SizeArea_mm2=0.5, SizeAreaWB_mm2=3, SizeX_mm=1, SizeY_mm=0.5, SizeZ_mm=0.6, TaMax_C=125°C, TaMin_C=-55°C, Technology=Ceramic, U/M=EA, VDC_V=50V
C70: library part CMP-0085842-1, "CAP, CERM, 0.01 µF, 50 V,+/- 10%, X7R, 0402", Alternate PartNumber=GRM155R61A103KA01D, Cap_Case=0402, Manufacturer=Walsin, TempCo=X7R, Tolerance_%=10%, Value2=50V, ValueDisplayed=0.01µF, AEC Category=Q200, AEC Grade=N/A, AEC Qualified=N, Cap_F=10nF, ComponentLink1Description="Datasheet link", ComponentLink1URL=http://www.passivecomponent.com/indexsea/0402B103K500CT-IN.pdf, CompType=Capacitor, MountType=SMT, PackageReference=0402, PartNumber=0402B103K500CT, Polarized=N, RoHS=Y, SizeArea_mm2=0.5, SizeAreaWB_mm2=3, SizeX_mm=1, SizeY_mm=0.5, SizeZ_mm=0.6, TaMax_C=125°C, TaMin_C=-55°C, Technology=Ceramic, U/M=EA, VDC_V=50V
C78 C80: library part CMP-0084772-1, "CAP, CERM, 10 µF, 10 V,+/- 10%, X5R, 0805", Alternate PartNumber=GRM21BR61A106KE19L, Cap_Case=0805, Manufacturer="Samsung Electro-Mechanics", TempCo=X5R, Tolerance_%=10%, Value2=10V, ValueDisplayed=10µF, AEC Category=Q200, AEC Grade=N/A, AEC Qualified=N, Cap_F=10µF, ComponentLink1Description="Datasheet link", ComponentLink1URL=http://www.samsungsem.com/kr/support/product-search/mlcc/__icsFiles/afieldfile/2018/06/20/CL21A106KPFNNNE.pdf, CompType=Capacitor, MountType=SMT, PackageReference=0805, PartNumber=CL21A106KPFNNNE, Polarized=N, RoHS=Y, SizeArea_mm2=2.5, SizeAreaWB_mm2=6.75, SizeX_mm=2, SizeY_mm=1.25, SizeZ_mm=1.45, TaMax_C=85°C, TaMin_C=-55°C, Technology=Ceramic, U/M=EA, VDC_V=10V
C79: library part CMP-0085852-1, "CAP, CERM, 22 µF, 16 V,+/- 10%, X5R, 0805", Alternate PartNumber=C2012X5R1C226K125AC, Cap_Case=0805, Manufacturer="Samsung Electro-Mechanics", TempCo=X5R, Tolerance_%=10%, Value2=16V, ValueDisplayed=22µF, AEC Category=Q200, AEC Grade=N/A, AEC Qualified=N, Cap_F=22µF, ComponentLink1Description="Datasheet link", ComponentLink1URL=http://www.samsungsem.com/kr/support/library/product-catalog/__icsFiles/afieldfile/2017/09/13/MLCC.pdf, CompType=Capacitor, MountType=SMT, PackageReference=0805, PartNumber=CL21A226KOQNNNE, Polarized=N, RoHS=Y, SizeArea_mm2=2.5, SizeAreaWB_mm2=6.75, SizeX_mm=2, SizeY_mm=1.25, SizeZ_mm=1.45, TaMax_C=85°C, TaMin_C=-55°C, Technology=Ceramic, U/M=EA, VDC_V=16V
C81 C82: "CAP, CERM, 100 uF, 6.3 V, +/- 20%, X5R, 1206", Alternate Manufacturer=SAMSUNG, Alternate PartNumber=CL31A107MQHNNNE, Cap_Case=1206, Manufacturer=MuRata, PartNumber=GRM31CR60J107ME39L, Supplier Part Number 1=490-4539-1-ND, TempCo=X5R, Tolerance_%=20%, Value1="0.003 ohm", Value2=6.3V, ValueDisplayed=100uF, AEC Category=Q200, AEC Qualified=?, Cap_F=100µF, ComponentLink1Description="Datasheet link", ComponentLink1URL=http://search.murata.co.jp/Ceramy/PnsearchViewAction.do?HnOFG=ON&HnNFG=ON&SEL_CNT=50&sLang=en&sKey=GRM31CR60J107ME39L&x=9&y=9&search=startwith, CompType=Capacitor, ESR_ohm=3m, LatestRevisionDate=2017-03-09, MountType=SMT, PackageReference=1206, Polarized=N, Published=2008-06-19, Publisher="Texas Instruments", RoHS=Y, SizeArea_mm2=5.12, SizeAreaWB_mm2=10.92, SizeX_mm=3.2, SizeY_mm=1.6, SizeZ_mm=1.8, Supplier 1=Digi-Key, Supplier 2=Mouser, Supplier 3=Farnell, Supplier Part Number 2=81-GRM31CR60J107ME9L, Supplier Part Number 3=1735535, TaMax_C=85°C, TaMin_C=-55°C, Technology=Ceramic, U/M=EA, VDC_V=6.3V
D1 D6 D8: "LED, Red, SMD", Alternate Manufacturer=Rohm, Alternate PartNumber=SML-311UTT86, Color=red, Manufacturer=Everlight, PartNumber=19-217/R6C-AL1M2VY/3T, Supplier Part Number 1=511-1304-1-ND, Value1=W, Value2=1.8V, ComponentLink1Description="Datasheet link", ComponentLink1URL=http://rohmfs.rohm.com/en/products/databook/datasheet/opto/led/chip_mono/sml-31.pdf, CompType=LED, Io_A=2mA, LatestRevisionDate=2017-03-09, MountType=SMT, PackageReference="LED, 1.6x.8x.8mm", Published=2008-07-11, Publisher="Texas Instruments", RoHS=Y, Supplier 1=Digi-Key, Supplier 2=Newark, Supplier 3=Mouser, Supplier Part Number 2=40P3325, Supplier Part Number 3=755-SML-311UTT86, Type=AlInGaP, U/M=EA, Vf_V=1.8V
D2: "LED, Green, SMD", Alternate Manufacturer=Everlight, Alternate PartNumber=19-217/G7C-AN1P2/3T, Color=green, Manufacturer=Lumex, PartNumber=SML-LX0603GW-TR, Supplier Part Number 1=67-1549-1-ND, Value1=W, Value2=2.2V, ComponentLink1Description="Datasheet link", ComponentLink1URL=http://www.lumex.com/specs/SML-LX0603GW-TR.pdf, CompType=LED, Io_A=20mA, LatestRevisionDate=2017-03-09, MountType=SMT, PackageReference="LED, GREEN, 0603", Published=2008-07-11, Publisher="Texas Instruments", RoHS=Y, Supplier 1=Digi-Key, Supplier 2=Newark, Supplier 3=Mouser, Supplier Part Number 2=75K1440, Supplier Part Number 3=696-SML-LX0603GW, Tjmax_C=85°C, Type=?, U/M=EA, Vf_V=2.2V
D3: "LED, Yellow, SMD", Alternate Manufacturer=Everlight, Alternate PartNumber=19-217/G7C-AN1P2/3T, Color=yellow, Manufacturer="Wurth Elektronik", PartNumber=150060YS75000, Supplier Part Number 1=732-4981-1-ND, Value1=W, Value2=2V, ComponentLink1Description="Datasheet link", ComponentLink1URL=http://katalog.we-online.de/led/datasheet/150060YS75000.pdf, CompType=LED, Io_A=20mA, LatestRevisionDate=2017-03-09, MountType=SMT, PackageReference=LED_0603, Published=2008-07-11, Publisher="Texas Instruments", RoHS=Y, Supplier 1=Digi-Key, Supplier 2=Newark, Supplier 3=Farnell, Supplier Part Number 2=95W3798, Supplier Part Number 3=2322074, Type=AlInGaP, U/M=EA, Vf_V=2V
D4 D5: library part CMP-0081923-2, "Diode, Schottky, 45 V, 0.03 A, SOD-523F", Alternate PartNumber=CD0603-B00340, Manufacturer="Comchip Technology", Value1=0.03A, Value2=0.37V, AEC Category=Q101, AEC Qualified=N, ComponentLink1Description="Datasheet link", ComponentLink1URL=http://www.comchiptech.com/cms/UserFiles/CDBU00340-RevA718649.pdf, CompType=Diode, Io_A=30mA, MountType=SMT, PackageReference=SOD-523F, PartNumber=CDBU00340, RoHS=Y, SizeArea_mm2=1.53, SizeAreaWB_mm2=5.13, SizeX_mm=1.7, SizeY_mm=0.9, SizeZ_mm=0.85, Tjmax_C=125°C, Type=Schottky, Vf_V=370mV, Vr_V=45V
D7: "LED, Rgb, SMD", Alternate Manufacturer=Everlight, Alternate PartNumber=19-337-R6GHBHC-C02-2T, Color=RGB, PartNumber=EAST1616RGBA8, Value1=W, Value2=3.7V, Angle=120, ComponentLink1Description="Datasheet link", ComponentLink1URL=https://everlightamericas.com/index.php?controller=attachment&id_attachment=2142, CompType=LED, Io_A=25mA, Ir_A=50µA, LatestRevisionDate=2017-03-09, Manufacturer=Everlight, MountType=SMT, PackageReference=1.6x1.6mm, Published=2008-07-11, Publisher="Texas Instruments", RoHS=Y, SizeArea_mm2=2.56, SizeAreaWB_mm2=6.76, SizeX_mm=1.6, SizeY_mm=1.6, SizeZ_mm=0.45, Tjmax_C=85°C, Type=InGaN, U/M=EA, Vf_V=3.7V, Vr_V=5V
E1: "WLAN ANTENNA 802.11, SMD", Alternate Manufacturer=----, Manufacturer=Ethertronics, PartNumber=M830520, Alternate PartNumber=----, ComponentLink1Description="Datasheet URL", ComponentLink1URL=http://www.ethertronics.com/files/6014/0708/4228/Savvi_WLAN__8x3_M830510.pdf, CompType=Antenna, LatestRevisionDate=09/03/2017, MountType=SMT, PackageReference=8x3mm, Publisher="Texas Instruments", RoHS=Y, SizeArea_mm2=24, SizeAreaWB_mm2=50, SizeX_mm=3, SizeY_mm=8, SizeZ_mm=1.33
FID1 FID2 FID3 FID4 FID5 FID6: "Fiducial mark.  There is nothing to buy or mount.", Manufacturer=N/A, ClassName=FiducialMark, CompType=Fiducial, MountType=N/A, PackageReference=N/A, PartNumber=N/A
FL1: "Multilayer Chip Band Pass Filter For 2.4GHz W-LAN/Bluetooth, SMD", Alternate Manufacturer=----, Manufacturer=TDK, PartNumber=DEA202450BT-1294C1-H, Supplier Part Number 1=445-172335-1-ND, Alternate PartNumber=----, ComponentLink1Description="Datasheet URL", ComponentLink1URL=http://product.tdk.com/en/catalog/datasheets/rf_bpf_dea202450bt-1294c1-h_en.pdf, CompType=Filter, LatestRevisionDate=09/03/2017, MountType=SMT, PackageReference=2x1.25mm, Publisher="Texas Instruments", RoHS=Y, Supplier 1=Digi-Key, Supplier 2=Newark, Supplier 3=Mouser, Supplier Part Number 2=67X6091, Supplier Part Number 3=810-DEA202450BT1294C